# Altium PCB UKU205V3.PcbDoc (part 2 of 3) (continued)
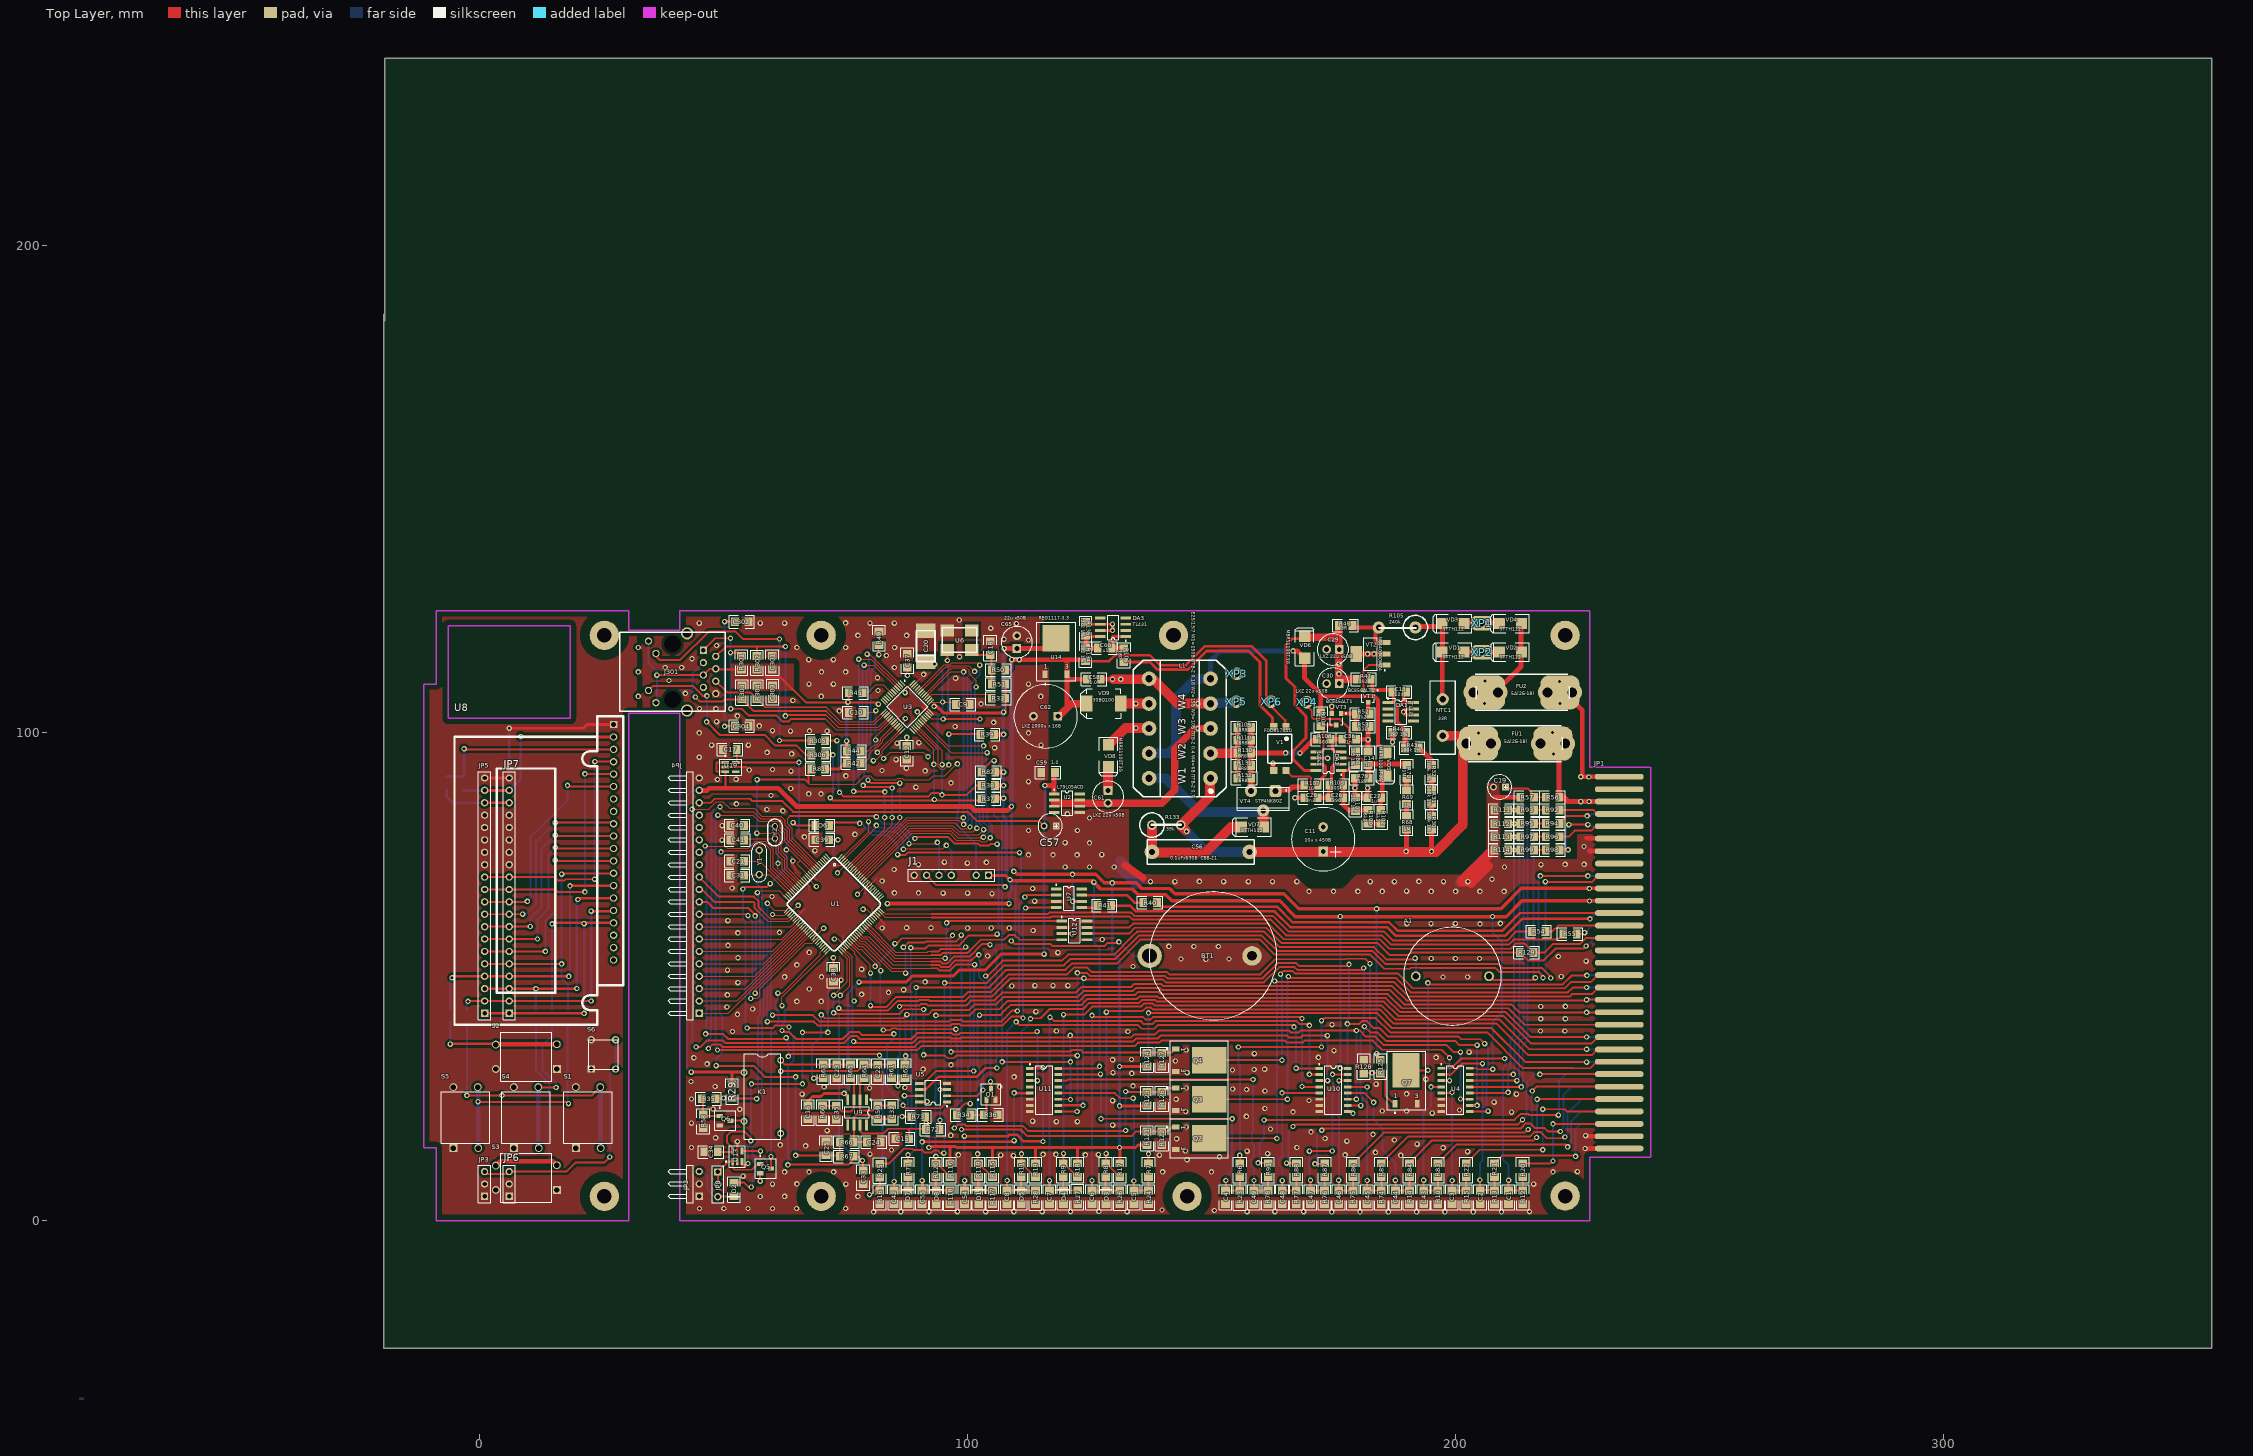
[diagram p0: Top Layer view]
## Nets (pads, with @x,y where several pads share a name; then routed paths per layer and width w, separated by ;. In a path a pad name is that pad's centre, name@x,y a point inside that pad or via, vN(x,y) a via of type N, cw(c..) or ccw(c..) an arc to the next point about the centre after c; other vN are vias at no path point) (continued)
  Bottom Layer w1.5: C30.+@176.1,110.1 C29.+@176.1,117.1
NetC32_1: C32.1 R59.2 R64.2 U9.2 | length 13.7
  Top Layer w0.4: R64.2@78.793,29.212 77.982,28.401 U9.2@77.982,24.811 77.982,22.918 78.35,22.55 80.519,22.55 81.631,23.662 C32.1@84.443,23.662
NetC35_1: C35.1 R60.2 R65.2 U9.3 | length 13.7
  Top Layer w0.4: R60.2@70.257,23.588 70.282,23.562 C35.1@73.093,23.562 74.256,22.4 76.15,22.4 76.712,22.962 U9.3@76.712,24.811 76.712,28.493 R65.2@75.993,29.212
NetC36_1: C36.1 DA2.4 R108.1 | length 6.9
  Top Layer w0.6: R108.1@174.8,98.697 174.8,96.5 175.195,96.105 DA2.4@176.604,96.105
  Top Layer w1: R108.1@174.1,98.697 R108.1@174.403,98.697 174.8,98.697 C36.1@176.797,98.697
NetC56_2: C56.2 R133.1 VD7.2 | length 30.7
  Top Layer w2: R133.1@137.8,80.7 C56.2@137.8,75.6 137.8,75.5 148.8,75.5 154,80.7 VD7.2@155.8,80.7
  Bottom Layer w2: C56.2@137.8,75.8 R133.1@137.8,81.1
NetC60_1: C60.1 DA3.1 R106.1 | length 7
  Top Layer w0.6: C60.1@129.7,117.87 129.7,119.73 DA3.1@132.4,119.73
  Top Layer w1: C60.1@129.5,117.4 R106.1@131.9,117.4
NetC60_2: C60.2 DA3.8 R134.1 R135.2 | length 7.6
  Top Layer w0.6: R135.2@124.33,119.73 DA3.8@127.2,119.73
  Top Layer w1: R134.1@124.2,117.5 124.33,117.63 R135.2@124.33,119.73 ; R134.1@124.3,117.4 C60.2@126.7,117.4
NetC61_-: C61.- L1.5 U2.2 U2.3 U2.6 U2.7 | length 45.7
  Top Layer w1.5: 117.789,85.6 C61.-@128.8,85.6 139.8,85.6 142.5,88.3 142.5,96.8 146.6,100.9 v1(147.2,100.9) L1.5@149.8,100.9
  Bottom Layer w1.5: v1@147.4,100.9 L1.5@149.8,100.9
NetDA2_5: DA2.5 R104.1 VT3.3 | length 9.3
  Top Layer w0.4: DA2.5@171.504,96.005 171.598,96.1 172.7,96.1 173,96.4 R104.1@173,101.2
  Top Layer w0.6: R104.1@172.9,101.625 VT3.3@175.6,101.625 VT3.3@175.7,101.625
NetDA2_7: DA2.7 R107.1 | length 6.6
  Top Layer w0.6: R107.1@171.4,89.5 173,91.1 173.4,91.5 173.4,93 172.835,93.565 DA2.7@171.404,93.565
NetJ301_1: J301.1 R301.1 U3.17 | length 59.4
  Top Layer w0.25: 70.65,102.85 70.85,102.85 73.1,100.6 81.865,100.6 U3.17@84.155,102.89
  Top Layer w0.4: J301.1@45.85,116.945 48.305,119.4 v1(51.4,119.4) ; v1(51.4,116.45) 53.006,116.45 R301.1@53.643,115.813 R301.1@53.626,115.795 ; v1(51.45,104.95) 53.7,104.95 55.1,103.55 60.85,103.55 62.05,102.35 63.35,102.35 63.85,102.85 70.65,102.85
  Bottom Layer w0.4: v1(51.4,119.4) 51.4,105 v1(51.45,104.95)
NetJ301_2: J301.2 R302.2 U3.16 | length 54.6
  Top Layer w0.25: 70.9,103.7 73.45,101.15 81.708,101.15 U3.16@83.801,103.243
  Top Layer w0.4: J301.2@48.4,115.675 50.425,117.7 v1(62.65,117.7) ; 56.8,117.7 56.857,117.643 R302.2@56.857,115.788 ; v1(62.65,103.5) 62.85,103.7 70.9,103.7
  Bottom Layer w0.4: v1@62.65,103.3 v1(62.65,117.7)
NetJ301_3: J301.3 R303.1 U3.14 | length 51.8
  Top Layer w0.25: 71.05,104.45 73.75,101.75 80.894,101.75 U3.14@83.094,103.95
  Top Layer w0.4: v1(44.2,107.35) 45.15,106.4 49.75,106.4 50.15,106.8 53.669,106.8 R303.1@53.757,106.888 ; R303.1@54.497,106.147 R303.1@53.757,106.888 ; 71.05,104.45 56.194,104.45 R303.1@53.757,106.888
  Bottom Layer w0.4: v1(44.2,107.35) 43.65,107.9 43.65,112.205 J301.3@45.85,114.405
NetJ301_6: J301.6 R304.2 U3.13 | length 41.2
  Top Layer w0.25: 71.05,105.25 74.05,102.25 80.687,102.25 U3.13@82.74,104.304
  Top Layer w0.4: J301.6@48.4,110.595 50.695,108.3 55.456,108.3 58.506,105.25 62.7,105.25 ; 60.15,105.25 71.05,105.25
NetJ301_10: J301.10 R305.1 | length 56.6
  Top Layer w0.4: J301.10@36.12,116.27 36.12,115.68 36.85,114.95 41.1,114.95 46.9,120.75 52.45,120.75 53.95,119.25 v1(61.45,119.25) ; v1(61.45,98.45) 61.507,98.393 R305.1@67.988,98.393
  Bottom Layer w0.4: v1(61.45,98.45) v1(61.45,119.25)
NetJ301_11: J301.11 R306.1 | length 42.8
  Top Layer w0.4: J301.11@34.6,108.7 35.55,109.65 43.65,109.65 45.7,107.6 v1(46.55,107.6) ; v1(46.5,102.25) 49.15,99.6 58.4,99.6 60.6,97.4 64.95,97.4 66.857,95.493 R306.1@67.988,95.493
  Bottom Layer w0.4: v1@46.55,102.25 v1(46.55,107.6)
NetJP3_1: JP3.1 JP3.2 JP5.13 JP5.14 JP5.15 JP5.16 JP5.17 JP5.20 JP6.1 JP6.2 JP7.13 JP7.14 JP7.15 JP7.16 JP7.17 JP7.20 S1.1 S2.1 S3.1 S4.1 S5.1 S6.1 U8.1 | length 37
  Top Layer w0.6: JP5.20@1,90.76 JP7.20@6.05,90.76 ; v1(6.05,100.95) 21.25,100.95 22,101.7 U8.1@27.45,101.7
  Bottom Layer w0.6: JP7.20@6.05,90.76 v1(6.05,100.95)
NetJP3_3: JP3.3 JP6.3 S6.2 | length 51.2
  Top Layer w0.4: JP3.3@1.46,9.6 5.568,9.6 JP6.3@6.039,10.071 10.971,10.071 11,10.1 17.8,10.1 19.6,11.9 25.5,11.9 v1(26.65,13.05)
  Bottom Layer w0.4: v1(26.65,13.05) 26.65,29.89 S6.2@27.851,31.091 S6.2@27.851,37.091
NetJP5_1: JP5.1 JP7.1 R4.2 U8.17 | length 69.2
  Top Layer w0.5: JP5.1@1,42.5 JP7.1@6.05,42.5 v1(21.4,42.5) ; v1(14.85,60.85) 15.06,61.06 v1@21.56,61.06 ; v1(21.4,60.9) v1@21.56,61.06 ; U8.17@27.45,61.06 v1@21.56,61.06
  Bottom Layer w0.5: R4.2@14.817,43.388 14.817,60.817 v1(14.85,60.85) ; v1(21.4,42.5) v1(21.4,60.9)
NetJP5_2: JP5.2 JP7.2 R1.2 U8.16 | length 50
  Top Layer w0.5: v1(-2.4,44.95) -2.31,45.04 JP5.2@1,45.04 JP7.2@6.05,45.04 22.84,45.04 v1(22.85,45.05) ; v1(22.85,63.45) 27.3,63.45 U8.16@27.45,63.6
  Bottom Layer w0.5: R1.2@-2.657,43.388 -2.657,44.693 v1(-2.4,44.95) ; v1(22.85,45.05) v1(22.85,63.45)
NetJP5_3: JP5.3 JP7.3 R3.2 U8.15 | length 48.9
  Top Layer w0.5: JP5.3@1,47.58 JP7.3@6.05,47.58 19.88,47.58 v1(19.9,47.6) ; v1(20.1,65.85) 20.39,66.14 U8.15@27.45,66.14
  Bottom Layer w0.5: v1(11.5,47.55) 11.509,47.541 R3.2@11.509,43.388 ; v1(19.9,47.6) 19.9,65.65 v1(20.1,65.85)
NetJP5_4: JP5.4 JP7.4 R2.2 U8.14 | length 58.2
  Top Layer w0.5: v1(-5.65,49.8) -5.33,50.12 JP5.4@1,50.12 JP7.4@6.05,50.12 18.23,50.12 v1(18.25,50.1) ; v1(18.5,68.65) 18.53,68.68 U8.14@27.45,68.68
  Bottom Layer w0.5: R2.2@-6.057,43.388 -6.057,49.393 v1(-5.65,49.8) ; v1(18.25,50.1) 18.5,50.35 v1(18.5,68.65)
NetJP5_5: JP5.5 JP7.5 R5.2 U8.13 | length 54.7
  Top Layer w0.4: JP5.5@1,52.66 JP7.5@6.05,52.66 v1(16.79,52.66) v1@16.8,52.65 ; v1(16.8,71.05) 16.97,71.22 U8.13@27.45,71.22
  Bottom Layer w0.4: v1(16.8,71.05) 16.8,49.65 18.125,48.325 R5.2@18.125,43.388
NetJP5_6: JP5.6 JP7.6 U8.12 | length 44.1
  Top Layer w0.4: JP5.6@1,55.2 JP7.6@6.05,55.2 v1(13.45,55.2) ; v1(15.45,73.9) 15.59,73.76 U8.12@27.45,73.76
  Bottom Layer w0.4: v1(13.45,55.2) 13.45,61.35 15.5,63.4 15.5,73.85 v1(15.45,73.9)
NetJP5_7: JP5.7 JP7.7 U8.11 | length 43.1
  Top Layer w0.4: JP5.7@1,57.74 JP7.7@6.05,57.74 11.84,57.74 v1(11.85,57.75) ; v1(15.5,76.5) 15.7,76.3 U8.11@27.45,76.3
  Bottom Layer w0.4: v1(11.85,57.75) 11.85,61.7 14.05,63.9 14.05,75.05 v1(15.5,76.5)
NetJP5_8: JP5.8 JP7.8 U8.10 | length 42.3
  Top Layer w0.4: JP5.8@1,60.28 JP7.8@6.05,60.28 10.33,60.28 v1(10.35,60.3) ; v1(15.5,79.05) 15.71,78.84 U8.10@27.45,78.84
  Bottom Layer w0.4: v1(10.35,60.3) 10.35,62 12.7,64.35 12.7,76.25 v1(15.5,79.05)
NetJP5_9: JP5.9 JP7.9 U8.9 | length 42
  Top Layer w0.4: JP5.9@1,62.82 JP7.9@6.05,62.82 8.87,62.82 8.9,62.85 v1(8.8,62.85) ; v1(15.45,81.6) 27.23,81.6 U8.9@27.45,81.38
  Bottom Layer w0.4: v1(8.8,62.85) 9.4,62.85 11.55,65 11.55,77.7 v1(15.45,81.6)
NetJP5_10: JP5.10 JP7.10 U8.6 | length 45.6
  Top Layer w0.4: JP5.10@1,65.36 JP7.10@6.05,65.36 9.66,65.36 v1(9.75,65.45) ; v1(18,89.25) 18.25,89 U8.6@27.45,89
  Bottom Layer w0.4: v1(9.75,65.45) 10.45,66.15 10.45,78.75 18,86.3 v1(18,89.25)
NetJP5_11: JP5.11 JP7.11 U8.5 | length 50.9
  Top Layer w0.4: JP5.11@1,67.9 JP7.11@6.05,67.9 15.45,67.9 15.95,67.4 v1(21.55,67.4) ; v1(21.55,91.6) 27.39,91.6 U8.5@27.45,91.54
  Bottom Layer w0.4: v1(21.55,67.4) v1(21.55,91.6)
NetJP5_12: JP5.12 JP7.12 U8.4 | length 50.9
  Top Layer w0.4: JP5.12@1,70.44 JP7.12@6.05,70.44 15.31,70.44 16,69.75 17.4,69.75 17.65,70 v1(23.55,70) ; v1(23.6,94.1) 27.43,94.1 U8.4@27.45,94.08
  Bottom Layer w0.4: v1(23.55,70) 23.55,94.05 v1(23.6,94.1)
NetJP5_18: JP5.18 JP7.18 R89.1 | length 14.7
  Top Layer w0.5: JP5.18@1,85.68 JP7.18@6.05,85.68
  Bottom Layer w0.6: R89.1@-6.857,88.288 -6.857,87.057 -5.48,85.68 JP5.18@1,85.68
NetJP5_19: JP5.19 JP7.19 R90.2 U8.2 | length 40.6
  Top Layer w0.6: JP5.19@1,88.22 JP7.19@6.05,88.22 ; v1(8.4,99.25) 8.49,99.16 U8.2@27.45,99.16
  Bottom Layer w0.6: R90.2@-3.443,88.312 -3.351,88.22 JP5.19@1,88.22 ; JP7.19@6.05,88.22 8.4,90.57 v1(8.4,99.25)
NetJP8_1: JP8.1 JP8.2 Q5.1 U13.1 | length 14
  Top Layer w0.4: JP8.2@48.8,7.46 JP8.1@48.8,10 50.925,12.125 U13.1@51.85,12.125 51.85,10.9 52.3,10.45 55.8,10.45 56.994,11.644 Q5.1@57.495,11.644
NetK1_5: K1.5 Q6.3 | length 2.8
  Top Layer w0.4: Q6.3@51.398,20.498 54.086,20.498 K1.5@54.19,20.394
NetL1_2: L1.2 VD7.1 VT4.2 | length 29.6
  Top Layer w2: VD7.1@160.649,80.694 VT4.2@160.649,84.051
  Bottom Layer w2: L1.2@137.2,90.7 140.6,90.7 147.5,83.8 VT4.2@160.6,83.8
NetL1_4: L1.4 L1.9 R104.2 VD5.1 VD6.1 | length 84.3
  Top Layer w0.4: VD5.1@185.706,95.849 VD5.1@186,96.143
  Top Layer w0.8: 172.7,107.5 183.4,107.5 184.15,106.75 184.15,97.75 VD5.1@185.3,96.6
  Top Layer w1: v1(166.7,116.8) 167.6,116.8 VD6.1@169.1,115.3 169.1,111.2 172.4,107.9 R104.2@172.4,104.2
  Bottom Layer w1: L1.9@149.8,111.1 149.8,114.8 151.8,116.8 v1(166.7,116.8)
  Bottom Layer w2: L1.4@137.2,95.8 141.2,95.8 142.7,97.3 142.7,107 146.8,111.1 L1.9@149.8,111.1
NetL1_6: L1.6 VD8.1 | length 11.6
  Top Layer w2: VD8.1@128.906,97.549 132.357,101 v1(134.5,101) L1.6@136.387,101
  Bottom Layer w2: v1(134.5,101) L1.6@137.2,101
NetL1_8: L1.8 VD9.1 | length 8.6
  Top Layer w2: VD9.1@131.375,106 v1(134.5,106) L1.8@137.2,106
  Bottom Layer w2: v1@134.4,106 v1(134.5,106) L1.8@137.2,106
NetNTC1_1: NTC1.1 R105.1 VD1.2 VD3.2 | length 19.8
  Top Layer w1: R105.1@191.7,121.8 VD3.2@196.749,121.8 ; VD3.2@197.249,122.394 VD3.2@197.257,122.008 ; NTC1.1@197.3,107.1 VD1.2@197.3,116.294 ; VD1.2@197.349,116.596 197.349,116.594 VD1.2@197.349,116.794 ; VD1.2@197.349,116.796 VD3.2@197.349,121.8
NetQ1_1: Q1.1 R34.2 R36.2 | length 6
  Top Layer w0.4: R34.2@100.588,21.693 103.299,21.693 R36.2@103.312,21.707 103.852,22.246 Q1.1@103.852,24.798
NetQ5_2: Q5.2 U13.4 | length 11.6
  Top Layer w0.4: U13.4@53.75,14.275 57.525,14.275 v1(57.55,14.25) ; Q5.2@57.495,9.744 57.495,8.105 v1(57.5,8.1)
  Bottom Layer w0.4: v1(57.5,8.1) 57.5,14.2 v1(57.55,14.25)
NetQ6_1: Q6.1 R35.2 R58.2 | length 6.9
  Top Layer w0.4: R35.2@45.512,25.007 45.807,24.712 R58.2@45.807,21.788 46.146,21.448 Q6.1@49.198,21.448
NetR1_1: R1.1 S1.2 | length 55.6
  Top Layer w0.4: v1(-2.65,25.7) 23.012,25.7 S1.2@24.703,27.391
  Bottom Layer w0.4: R1.1@-2.657,40.588 -2.65,40.581 v1(-2.65,25.7)
  Bottom Layer w1: S1.2@24.7,27.5 24.756,27.444 24.783,27.417 S1.2@24.783,14.891
  other v1: 4.55,25.7
NetR2_1: R2.1 S2.2 | length 26.3
  Top Layer w0.5: v1(-6.05,36.2) -6,36.25 3.162,36.25 S2.2@3.309,36.103
  Top Layer w1: S2.2@3.389,36.183 S2.2@15.809,36.183
  Bottom Layer w0.5: R2.1@-6.057,40.588 -6.057,36.207 v1(-6.05,36.2)
NetR3_1: R3.1 S3.2 | length 44.2
  Top Layer w1: S3.2@3.309,11.303 4.206,12.2 14.992,12.2 S3.2@15.809,11.383
  Bottom Layer w0.4: R3.1@11.509,40.588 11.509,30.841 14.25,28.1 14.25,12.942 S3.2@15.809,11.383
NetR4_1: R4.1 S4.2 | length 31.5
  Top Layer w0.4: S4.2@12.003,27.391 12.094,27.3 v1(15.65,27.3)
  Bottom Layer w0.4: R4.1@14.817,40.588 14.817,37.917 12.85,35.95 12.85,30.95 15.65,28.15 v1(15.65,27.3)
  Bottom Layer w1: S4.2@12.003,27.391 12.003,14.971 S4.2@12.083,14.891
NetR5_1: R5.1 S5.2 | length 48.6
  Top Layer w0.4: S5.2@-0.397,27.391 S5.2@0.359,27.391 ; v1(-0.35,24.4) -0.3,24.35 17.85,24.35 v1(18.2,24)
  Bottom Layer w0.4: R5.1@18,40.55 18,24.2 v1(18.2,24)
  Bottom Layer w1: S5.2@-0.4,27.35 -0.317,27.267 S5.2@-0.317,14.891
NetR30_1: R30.1 R31.2 | length 2.5
  Top Layer w1: R30.1@195.1,83 R31.2@195.1,85.5
NetR31_1: R31.1 R32.2 | length 2.3
  Top Layer w1: R31.1@195.1,88.3 R32.2@195.1,90.6
NetR32_1: R32.1 R43.2 | length 4.5
  Top Layer w1: R43.2@192.8,97 192.8,96.7 195.1,94.4 R32.1@195.1,93.5
NetR33_1: R33.1 U3.39 | length 13.8
  Top Layer w0.25: U3.39@91.827,107.026 92.7,107.9 104.131,107.9 R33.1@104.938,107.093
NetR37_1: R37.1 R306.2 U3.26 | length 57.9
  Top Layer w0.25: U3.26@88.998,100.768 93.1,96.667 v1(93.1,93.55) ; v1(93.2,86.35) v1@93.3,86.25
  Top Layer w0.4: R306.2@71.438,95.493 72.357,95.493 72.375,95.475 72.4,95.45 v1(72.4,95.5) ; v1(71.85,86.7) 72.45,86.1 102.444,86.1 R37.1@102.838,86.493
  Bottom Layer w0.4: v1(71.85,86.7) 72.4,87.25 v1(72.4,95.5) ; v1@93.15,93.6 v1(93.1,93.55) 93.1,86.35 v1(93.2,86.35)
NetR38_1: R38.1 R305.2 U3.28 | length 60.6
  Top Layer w0.25: U3.28@89.705,101.475 94.8,96.381 v1(94.8,93.5)
  Top Layer w0.4: R305.2@71.438,98.393 73.193,98.393 v1(73.2,98.4) ; v1(73.75,87.8) 74.6,86.95 91.9,86.95 92.551,87.601 ; R38.1@102.838,89.193 101.743,89.193 99.85,87.3 94.4,87.3 93.978,87.722 92.672,87.722 ; 92.551,87.601 92.672,87.722 ; 92.551,87.601 92.672,87.722
  Bottom Layer w0.4: v1(73.2,98.4) 73.5,98.1 v1@73.5,87.8 ; v1@73.5,88.05 v1(73.75,87.8) ; v1(94.75,87.3) v1@94.75,94 ; v1@94.75,93.45 v1(94.8,93.5)
NetR39_1: R39.1 U3.27 | length 25.9
  Top Layer w0.25: U3.27@89.352,101.122 93.95,96.524 93.95,93.1 94.55,92.5 95.2,92.5 v1(96.15,93.45)
  Top Layer w0.4: v1(96.15,99.75) 102.881,99.75 R39.1@102.938,99.693
  Bottom Layer w0.4: v1(96.15,93.45) v1(96.15,99.75)
NetR40_2: R40.2 U7.7 | length 13.3
  Top Layer w0.5: U7.7@123.389,66.732 132.668,66.732 134.193,65.207 R40.2@136.012,65.207
NetR41_2: R41.2 U7.5 | length 3.4
  Top Layer w0.5: U7.5@123.389,64.192 126.198,64.192 R41.2@126.612,64.607
NetR42_1: R42.1 U3.21 | length 11.4
  Top Layer w0.25: R42.1@78.062,93.807 78.757,93.807 79.85,94.9 79.85,95.757 81.243,97.15 81.616,97.15 82.65,98.184 82.65,98.557 U3.21@85.569,101.475
NetR44_1: R44.1 U3.20 | length 9.7
  Top Layer w0.25: R44.1@78.062,96.307 79.693,96.307 80.503,97.117 80.936,97.55 81.45,97.55 82.25,98.35 82.25,98.864 U3.20@85.215,101.829
NetR45_1: R45.1 U3.7 | length 7.5
  Top Layer w0.25: R45.1@78.462,108.207 79.507,108.207 81.2,109.9 82.695,109.9 U3.7@84.508,108.087
NetR48_2: R48.2 R105.2 VT2.3 | length 10.1
  Top Layer w0.8: R48.2@178.5,122 178.9,121.6 183.6,121.6 183.6,118.8 183.9,118.5 VT2.3@185.5,118.5
NetR49_2: R49.2 U3.24 | length 33.1
  Top Layer w0.25: v1(80.7,94.3) 81.1,94.3 82.5,95.7 82.5,96.285 85.175,98.961 U3.24@86.63,100.415 ; R49.2@81.843,117.612 81.843,116.407 v1@81.85,116.4
  Bottom Layer w0.4: v1(80.7,94.3) 80.15,94.85 80.15,112.5 81.05,113.4 81.05,115.55 81.85,116.35 v1@81.85,116.4
  other v1: 81.8,116.05
NetR52_1: R52.1 VT1.3 | length 2.1
  Top Layer w0.8: R52.1@182.1,104.2 VT1.3@182.1,106.25
NetR52_2: R52.2 R53.2 VT3.1 | length 5.6
  Top Layer w0.8: VT3.1@176.55,103.975 R52.2@179.525,103.975
  Top Layer w1: R53.2@179.6,101.3 R52.2@179.6,103.894
NetR68_1: R68.1 R69.2 | length 2.4
  Top Layer w1: R68.1@190,83 R69.2@190,85.4
NetR69_1: R69.1 R70.2 | length 2.4
  Top Layer w1: R69.1@190.003,88.203 R70.2@190.003,90.603
NetR72_1: R72.1 U5.3 | length 9.7
  Top Layer w0.4: R72.1@94.309,18.714 94.35,18.756 v1@94.35,20.2 ; v1(94.35,26.9) 94.37,26.88 U5.3@95.796,26.88
  Bottom Layer w0.4: v1@94.35,20.2 v1(94.35,26.9)
  other v1: 94.35,20.6
NetR73_2: R73.2 U5.7 | length 10.1
  Top Layer w0.4: v1(86.6,21.35) 86.636,21.314 R73.2@88.509,21.314 ; v1(87.05,25.65) 87.09,25.61 U5.7@90.096,25.61
  Bottom Layer w0.4: v1(86.6,21.35) 87.8,22.55 87.8,24.85 87.05,25.6 v1(87.05,25.65)
NetR80_1: R80.1 XP4.1 | length 16.6
  Top Layer w0.4: XP4.1@169.5,105.6 170.55,104.55 170.55,103.25 171,102.8 176.3,102.8 178.2,100.9 178.2,97.5 R80.1@179.5,96.2
NetR89_2: R89.2 R90.1 U8.3 | length 39.9
  Top Layer w0.4: v1(-3.2,96.75) -3.07,96.62 U8.3@27.45,96.62
  Bottom Layer w0.6: R89.2@-6.857,91.088 -3.468,91.088 -3.2,91.356 v1(-3.2,96.75)
NetR92_2: R92.2 R93.1 | length 2.4
  Top Layer w0.4: R93.1@216.109,84.214 R92.2@218.509,84.214
NetR94_2: R94.2 R95.1 | length 2.4
  Top Layer w0.4: R95.1@216.109,81.414 R94.2@218.509,81.414
NetR96_2: R96.2 R97.1 | length 2.5
  Top Layer w0.4: R97.1@216.05,78.7 216.064,78.714 R96.2@218.509,78.714
NetR98_2: R98.2 R99.1 | length 2.4
  Top Layer w0.4: R99.1@216.109,76.014 R98.2@218.509,76.014
NetR100_1: R100.1 R102.1 | length 2.6
  Top Layer w1: R100.1@182.094,81.394 R102.1@184.694,81.394
NetR106_2: R106.2 V1.2 | length 45.2
  Top Layer w0.6: R106.2@132.003,114.503 137.397,114.503 138.9,113 145.2,113 149,116.8 157.6,116.8 159.9,114.5 159.9,105.7 162.5,103.1 V1.2@162.5,101.4
NetR107_2: R107.2 VT4.1 | length 6.1
  Top Layer w1: VT4.1@163.1,88.2 163.197,88.297 165.897,88.297 166.5,88.9 168.6,88.9 R107.2@168.8,89.1
NetR108_2: R108.2 R109.2 R110.2 R130.2 R131.2 R132.2 VT4.3 | length 26.8
  Top Layer w1: VT4.3@158.1,88.3 R131.2@158.1,93.3 R109.2@158.1,101.1 ; R130.2@158.1,95.9 v1(165.2,95.9) v1@165.3,95.9 ; v1(168.15,95.85) R108.2@170.9,98.6
  Bottom Layer w1: v1(165.2,95.9) v1@168.1,95.9
NetVD1_1: VD1.1 VD2.2 XP2.1 | length 6.2
  Top Layer w1: VD1.1@201.7,116.6 v1(204,116.6) ; XP2.1@204,116.7 XP2.1@206.35,116.7 ; XP2.1@206.35,116.6 v1(206.8,116.6) VD2.2@207.9,116.6
NetVD3_1: VD3.1 VD4.2 XP1.1 | length 5.9
  Top Layer w1: VD3.1@202,122.5 206.551,122.5 v1(206.8,122.5) 206.851,122.5 VD4.2@207.9,122.5
  other v1: 204,122.5
NetVT1_2: VT1.2 VT2.1 | length 8.9
  Top Layer w0.4: VT1.2@181.15,108.75 181.15,112.85 182.2,113.9 VT2.1@185.5,113.9
OFF1: JP1.25 R54.2 | length 15.6
  Top Layer w0.4: R54.2@218.488,59.293 219.843,59.293 221.05,60.5 JP1.25@233.589,60.5
OFF2: JP1.26 R55.2 | length 9
  Top Layer w0.4: R55.2@224.888,58.793 v1@226.243,58.793
  Bottom Layer w0.4: v1(226.5,59.05) 227.95,60.5 JP1.26@233.589,60.5
P0_0: U1.46
P0_1: U1.47
P0_2: J1.5 U1.98 | length 31.6
  Top Layer w0.25: U1.98@74.545,73.916 81.3,80.671 v1(81.3,81.05) ; v1(88,77.3) 93.55,77.3 v1(93.8,77.55)
  Bottom Layer w0.4: v1(81.3,81.05) 81.8,80.55 85.75,80.55 87.95,78.35 87.95,77.35 v1(88,77.3) ; v1(93.8,77.55) 94.14,77.21 J1.5@94.14,70.808
P0_3: J1.4 U1.99 | length 36.6
  Top Layer w0.25: U1.99@74.191,74.269 79.7,79.778 v1(79.7,81.8) ; v1(86.85,76.15) 86.95,76.25 94.95,76.25 v1(95.65,76.95)
  Bottom Layer w0.4: v1(79.7,81.8) 79.7,81 80.9,79.8 85.2,79.8 86.85,78.15 v1(86.85,76.15) ; v1(95.65,76.95) 96.68,75.92 J1.4@96.68,70.808
P0_4: U1.81
P0_5: U1.80
P0_6: U1.79
P0_7: U1.78
P0_8: U1.77
P0_9: U1.76
P0_10: Q5.3 U1.48 | length 50.7
  Top Layer w0.25: v1(61.1,46.65) 62,46.65 69.848,54.498 69.848,55.077 U1.48@70.656,55.884
  Top Layer w0.5: Q5.3@59.695,10.694 59.7,10.699 v1(59.7,13.15)
  Bottom Layer w0.4: v1(59.7,13.15) 59.75,13.2 59.75,39.1 61.2,40.55 61.2,42.85 60.65,43.4 60.65,44.95 61.1,45.4 v1(61.1,46.65)
P0_11: U1.49
P0_15: U5.6
P0_15: U1.62 | length 74.7
  Top Layer w0.25: U1.62@77.727,59.066 78.543,58.25 79.75,58.25 84.85,53.15 92.5,53.15
  Top Layer w0.4: 92.5,53.15 94.4,53.15 94.8,52.75 95.8,52.75 97.2,54.15 100.4,54.15 103,56.75 104.45,56.75 v1(104.6,56.6)
  Top Layer w0.5: 90.096,26.88 91.43,26.88 94.1,29.55 101.9,29.55 103.65,31.3 v1(106,31.3)
  Bottom Layer w0.4: v1(104.6,56.6) 105.9,55.3 105.9,53.2 v1@105.9,31.35
P0_16: U1.63
P0_17: U5.2
P0_17: U1.61 | length 65.3
  Top Layer w0.25: U1.61@77.373,58.713 78.286,57.8 79.35,57.8 84.7,52.45 92.5,52.45
  Top Layer w0.4: 92.5,52.45 94.15,52.45 94.6,52 96.1,52 97.45,53.35 100.8,53.35 101.95,54.5 v1(102.3,54.5) ; 95.796,25.61 101.96,25.61 v1(103.15,26.8)
  Bottom Layer w0.4: v1(102.3,54.5) 102.3,53.35 102.6,53.05 102.6,51.95 102.3,51.65 102.3,50.05 103.7,48.65 103.7,31 103.15,30.45 v1(103.15,26.8)
P0_18: U5.5
P0_18: U1.60 | length 62
  Top Layer w0.25: U1.60@77.019,58.359 78.079,57.3 78.95,57.3 84.5,51.75 92.5,51.75
  Top Layer w0.4: 90.096,28.15 91.05,28.15 93.6,30.7 v1(101.25,30.7) ; 92.5,51.75 93.75,51.75 94.2,51.3 96.45,51.3 97.7,52.55 101.4,52.55 v1(101.45,52.5)
  Bottom Layer w0.4: v1(101.25,30.7) 101.3,52.5 v1@101.3,52.55
P0_19: Q2.1 R121.1 R122.1 | length 117.5
  Top Layer w0.25: 76.666,58.006 77.922,56.75 78.75,56.75 84.35,51.15 87,51.15 87.3,50.85 v1(87.3,50.75)
  Top Layer w0.4: v1(86.85,56.05) 87.8,57 91.25,57 91.45,57.2 97.55,57.2 98.7,58.35 v1(98.7,58.55) ; v1(98.75,18.7) 110.85,18.7 112.15,17.4 133.7,17.4 134.6,18.3 141,18.3 141.888,19.188 Q2.1@142.671,19.188
  Bottom Layer w0.4: v1(86.85,56.05) 87.3,55.6 v1(87.3,50.75) ; v1(98.7,58.55) 98.7,56.8 98.45,56.55 98.45,55.55 98.75,55.25 v1(98.75,18.7)
P0_19: U1.59
P0_20: Q3.1 R123.1 R126.1 | length 112.3
  Top Layer w0.25: 76.312,57.652 77.714,56.25 78.45,56.25 82.1,52.6 82.1,51.25 v1(82.2,51.25)
  Top Layer w0.4: v1(82.75,39.1) 84.2,39.1 84.55,39.45 85.4,39.45 85.6,39.25 v1(97.6,39.25) ; v1(97.3,19) 98.05,19.75 99.4,19.75 99.7,19.45 111.35,19.45 112.45,18.35 132.25,18.35 v1(132.4,18.5) v1@132.45,18.55 ; v1(132.4,26.5) 132.5,26.4 140.4,26.4 141.188,27.188 Q3.1@142.671,27.188
  Bottom Layer w0.4: v1(82.2,51.25) 82.1,51.15 82.1,39.75 v1(82.75,39.1) ; v1(97.3,19) 97.9,19.6 97.9,36 97.6,36.3 v1(97.6,39.25) ; v1(132.4,18.5) v1(132.4,26.5)
P0_20: U1.58
P0_21: Q4.1 R124.1 R127.1 | length 97.2
  Top Layer w0.25: 75.959,57.299 77.607,55.65 78.2,55.65 81.05,52.8 v1(81.05,52.15)
  Top Layer w0.4: v1(85.1,56.8) 85.45,56.8 86.55,57.9 96.3,57.9 v1(96.9,58.5) ; v1(96.6,34.6) 97.1,34.7 121.1,34.7 121.4,35 123.2,35 123.75,34.45 141.85,34.45 Q4.1@142.6,35.2
  Bottom Layer w0.4: v1(81.05,52.15) 85.1,56.2 v1(85.1,56.8) ; v1(96.6,34.6) 96.5,35.3 96.5,58.1 v1(96.9,58.5)
P0_21: U1.57
P0_22: Q7.1 R125.1 R128.1 | length 156.4
  Top Layer w0.25: 75.605,56.945 80.1,52.45 v1(80.1,50.75) v1@79.95,50.9
  Top Layer w0.4: v1(80.1,44.1) 79.95,44.1 80.025,44.025 80.25,43.8 83.3,43.8 85.4,45.9 99.1,45.9 100.05,46.85 104.75,46.85 108.35,50.45 120.35,50.45 121.8,51.9 124.55,51.9 125.5,50.95 140.9,50.95 141.35,50.5 160,50.5 163.1,53.6 177.55,53.6 177.65,53.7 181.5,53.7 v1(182.5,52.7) ; R128.1@182,30.3 v1(182.9,30.3) 184.65,30.3 185.65,29.3 185.65,25.65 187.329,23.971 Q7.1@187.612,23.971
  Bottom Layer w0.4: v1(80.1,44.1) v1(80.1,50.75) ; v1(182.5,52.7) 182.5,30.7 v1(182.9,30.3)
P0_22: U1.56
P0_23: U4.3
P0_23: U1.9 | length 233.6
  Top Layer w0.25: v1(48.8,83.15) 56,83.15 57.25,81.9 61.25,81.9 61.65,81.5 61.65,80.45 62.55,79.55 62.55,77.778 U1.9@68.534,71.794
  Top Layer w0.4: v1(48.75,35) 48.8,34.95 89.65,34.95 90.5,35.8 134.25,35.8 134.95,36.5 139.3,36.5 139.7,36.9 165.05,36.9 165.4,36.55 168.75,36.55 169.1,36.9 183.1,36.9 184.95,35.05 197.15,35.05 v1(198.8,33.4) ; 197.07,28.712 198.788,28.712 v1(198.8,28.7)
  Bottom Layer w0.4: v1(48.75,35) 48.35,35.4 48.35,82.7 v1(48.8,83.15) ; v1(198.8,28.7) v1(198.8,33.4)
P0_24: U10.3 | length 217.5
  Top Layer w0.25: v1(49.25,84.85) 49,84.85 49.125,84.725 50,83.85 56.1,83.85 57.6,82.35 61.5,82.35 62.15,81.7 62.15,80.65 63.05,79.75 63.05,77.986 68.888,72.148
  Top Layer w0.4: v1(46.85,35.3) 47.65,36.1 49.3,36.1 49.75,35.65 89.1,35.65 90.15,36.7 133.9,36.7 134.55,37.35 138.95,37.35 139.55,37.95 165.5,37.95 165.85,37.6 168.35,37.6 168.7,37.95 v1(173.75,37.95) ; U10.3@172.075,28.705 173.795,28.705 v1(173.8,28.7)
  Bottom Layer w0.4: v1(46.85,35.3) 46.85,37.1 47.45,37.7 47.45,42.5 47.55,42.6 47.55,83.5 48.9,84.85 v1(49.25,84.85) ; v1(173.75,37.95) 173.75,28.75 v1(173.8,28.7)
P0_24: U1.8
P0_25: U11.3
P0_25: U1.7 | length 166.9
  Top Layer w0.25: v1(43.55,84.35) 46.95,84.35 48.45,85.85 49.85,85.85 51.2,84.5 56.25,84.5 57.85,82.9 61.7,82.9 62.6,82 62.6,81.05 63.55,80.1 63.55,78.15 U1.7@69.3,72.4
  Top Layer w0.4: v1(44.35,35.6) 45.2,35.6 46.5,36.9 49.9,36.9 50.35,36.45 74.75,36.45 76.2,37.9 77.25,37.9 77.9,37.25 88.45,37.25 89.65,38.45 96.75,38.45 97,38.2 98.2,38.2 98.45,38.45 113.9,38.45 v1(114.25,38.8) ; 112.775,28.705 114.295,28.705 v1(114.3,28.7)
  Bottom Layer w0.4: v1(43.55,84.35) 43.65,84.25 43.65,36.3 v1(44.35,35.6) ; v1@114.25,39 114.3,38.95 v1(114.3,28.7)